# KiCad board kayboard.kicad_pcb (continued)
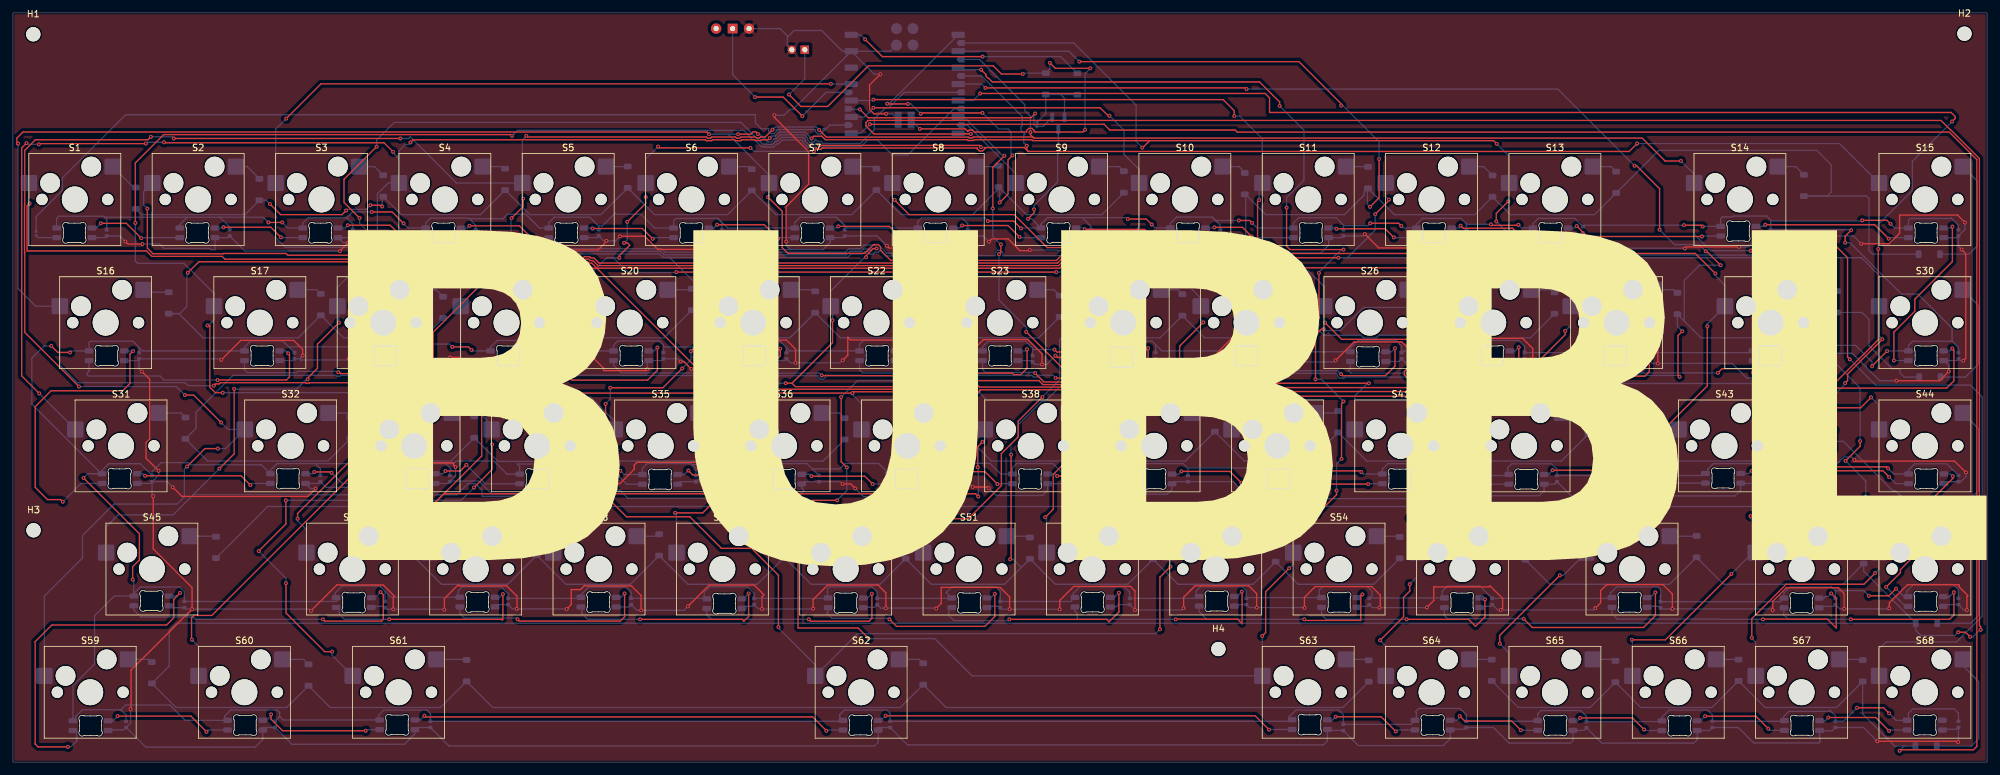
[diagram p0: board, top side]
## Nets
gnd_LED: C1.1 C2.1 C3.1 C4.1 C5.1 C6.1 C7.1 C8.1 C9.1 C10.1 C11.1 C12.1 C13.1 C14.1 C15.1 C16.1 C17.1 C18.1 C19.1 C20.1 C21.1 C22.1 C23.1 C24.1 C25.1 C26.1 C27.1 C28.1 C29.1 C30.1 C31.1 C32.1 C33.1 C34.1 C35.1 C36.1 C37.1 C38.1 C39.1 C40.1 C41.1 C42.1 C43.1 C44.1 C45.1 C46.1 C47.1 C48.1 C49.1 C50.1 C51.1 C52.1 C53.1 C54.1 C55.1 C56.1 C57.1 C58.1 C59.1 C60.1 C61.1 C62.1 C63.1 C64.1 C65.1 C66.1 C67.1 C68.1 D69.3 D70.3 D71.3 D72.3 D73.3 D74.3 D75.3 D76.3 D77.3 D78.3 D79.3 D80.3 D81.3 D82.3 D83.3 D84.3 D85.3 D86.3 D87.3 D88.3 D89.3 D90.3 D91.3 D92.3 D93.3 D94.3 D95.3 D96.3 D97.3 D98.3 D99.3 D100.3 D101.3 D102.3 D103.3 D104.3 D105.3 D106.3 D107.3 D108.3 D109.3 D110.3 D111.3 D112.3 D113.3 D114.3 D115.3 D116.3 D117.3 D118.3 D119.3 D120.3 D121.3 D122.3 D123.3 D124.3 D125.3 D126.3 D127.3 D128.3 D129.3 D130.3 D131.3 D132.3 D133.3 D134.3 D135.3 D136.3 J2.2 SW1.3 U1.13 U1.27
vcc_LED: C1.2 C2.2 C3.2 C4.2 C5.2 C6.2 C7.2 C8.2 C9.2 C10.2 C11.2 C12.2 C13.2 C14.2 C15.2 C16.2 C17.2 C18.2 C19.2 C20.2 C21.2 C22.2 C23.2 C24.2 C25.2 C26.2 C27.2 C28.2 C29.2 C30.2 C31.2 C32.2 C33.2 C34.2 C35.2 C36.2 C37.2 C38.2 C39.2 C40.2 C41.2 C42.2 C43.2 C44.2 C45.2 C46.2 C47.2 C48.2 C49.2 C50.2 C51.2 C52.2 C53.2 C54.2 C55.2 C56.2 C57.2 C58.2 C59.2 C60.2 C61.2 C62.2 C63.2 C64.2 C65.2 C66.2 C67.2 C68.2 D69.1 D70.1 D71.1 D72.1 D73.1 D74.1 D75.1 D76.1 D77.1 D78.1 D79.1 D80.1 D81.1 D82.1 D83.1 D84.1 D85.1 D86.1 D87.1 D88.1 D89.1 D90.1 D91.1 D92.1 D93.1 D94.1 D95.1 D96.1 D97.1 D98.1 D99.1 D100.1 D101.1 D102.1 D103.1 D104.1 D105.1 D106.1 D107.1 D108.1 D109.1 D110.1 D111.1 D112.1 D113.1 D114.1 D115.1 D116.1 D117.1 D118.1 D119.1 D120.1 D121.1 D122.1 D123.1 D124.1 D125.1 D126.1 D127.1 D128.1 D129.1 D130.1 D131.1 D132.1 D133.1 D134.1 D135.1 D136.1 Q1.3
/raw_pwr: D137.1 D138.1 Q1.2 R1.1
bat+: D138.2 J2.1
coloum 1: S1.1 S10.1 S19.1 S28.1 S37.1 S46.1 S55.1 S64.1 U1.9
coloum 2: S2.1 S11.1 S20.1 S29.1 S38.1 S47.1 S56.1 S65.1 U1.10
coloum 3: S3.1 S12.1 S21.1 S30.1 S39.1 S48.1 S57.1 S66.1 U1.11
coloum 4: S4.1 S13.1 S22.1 S31.1 S40.1 S49.1 S58.1 S67.1 U1.15
coloum 5: S5.1 S14.1 S23.1 S32.1 S41.1 S50.1 S59.1 S68.1 U1.16
coloum 6: S6.1 S15.1 S24.1 S33.1 S42.1 S51.1 S60.1 U1.17
coloum 7: S7.1 S16.1 S25.1 S34.1 S43.1 S52.1 S61.1 U1.18
coloum 8: S8.1 S17.1 S26.1 S35.1 S44.1 S53.1 S62.1 U1.19
coloum 9: S9.1 S18.1 S27.1 S36.1 S45.1 S54.1 S63.1 U1.20
LED: D69.2 R2.2
row 1: D1.1 D2.1 D3.1 D4.1 D5.1 D6.1 D7.1 D8.1 D9.1 U1.1
row 2: D10.1 D11.1 D12.1 D13.1 D14.1 D15.1 D16.1 D17.1 D18.1 U1.2
row 3: D19.1 D20.1 D21.1 D22.1 D23.1 D24.1 D25.1 D26.1 D27.1 U1.3
row 4: D28.1 D29.1 D30.1 D31.1 D32.1 D33.1 D34.1 D35.1 D36.1 U1.4
row 5: D37.1 D38.1 D39.1 D40.1 D41.1 D42.1 D43.1 D44.1 D45.1 U1.5
row 6: D46.1 D47.1 D48.1 D49.1 D50.1 D51.1 D52.1 D53.1 D54.1 U1.6
row 7: D55.1 D56.1 D57.1 D58.1 D59.1 D60.1 D61.1 D62.1 D63.1 U1.7
row 8: D64.1 D65.1 D66.1 D67.1 D68.1 U1.8
Net-(D1-A): D1.2 S1.2
Net-(D2-A): D2.2 S2.2
Net-(D3-A): D3.2 S3.2
Net-(D4-A): D4.2 S4.2
Net-(D5-A): D5.2 S5.2
Net-(D6-A): D6.2 S6.2
Net-(D7-A): D7.2 S7.2
Net-(D8-A): D8.2 S8.2
Net-(D9-A): D9.2 S9.2
Net-(D10-A): D10.2 S10.2
Net-(D11-A): D11.2 S11.2
Net-(D12-A): D12.2 S12.2
Net-(D13-A): D13.2 S13.2
Net-(D14-A): D14.2 S14.2
Net-(D15-A): D15.2 S15.2
Net-(D16-A): D16.2 S16.2
Net-(D17-A): D17.2 S17.2
Net-(D18-A): D18.2 S18.2
Net-(D19-A): D19.2 S19.2
Net-(D20-A): D20.2 S20.2
Net-(D21-A): D21.2 S21.2
Net-(D22-A): D22.2 S22.2
Net-(D23-A): D23.2 S23.2
Net-(D24-A): D24.2 S24.2
Net-(D25-A): D25.2 S25.2
Net-(D26-A): D26.2 S26.2
Net-(D27-A): D27.2 S27.2
Net-(D28-A): D28.2 S28.2
Net-(D29-A): D29.2 S29.2
Net-(D30-A): D30.2 S30.2
Net-(D31-A): D31.2 S31.2
Net-(D32-A): D32.2 S32.2
Net-(D33-A): D33.2 S33.2
Net-(D34-A): D34.2 S34.2
Net-(D35-A): D35.2 S35.2
Net-(D36-A): D36.2 S36.2
Net-(D37-A): D37.2 S37.2
Net-(D38-A): D38.2 S38.2
Net-(D39-A): D39.2 S39.2
Net-(D40-A): D40.2 S40.2
Net-(D41-A): D41.2 S41.2
Net-(D42-A): D42.2 S42.2
Net-(D43-A): D43.2 S43.2
Net-(D44-A): D44.2 S44.2
Net-(D45-A): D45.2 S45.2
Net-(D46-A): D46.2 S46.2
Net-(D47-A): D47.2 S47.2
Net-(D48-A): D48.2 S48.2
Net-(D49-A): D49.2 S49.2
Net-(D50-A): D50.2 S50.2
Net-(D51-A): D51.2 S51.2
Net-(D52-A): D52.2 S52.2
Net-(D53-A): D53.2 S53.2
Net-(D54-A): D54.2 S54.2
Net-(D55-A): D55.2 S55.2
Net-(D56-A): D56.2 S56.2
Net-(D57-A): D57.2 S57.2
Net-(D58-A): D58.2 S58.2
Net-(D59-A): D59.2 S59.2
Net-(D60-A): D60.2 S60.2
Net-(D61-A): D61.2 S61.2
Net-(D62-A): D62.2 S62.2
Net-(D63-A): D63.2 S63.2
Net-(D64-A): D64.2 S64.2
Net-(D65-A): D65.2 S65.2
Net-(D66-A): D66.2 S66.2
Net-(D67-A): D67.2 S67.2
Net-(D68-A): D68.2 S68.2
Net-(D69-DOUT): D69.4 D70.2
Net-(D70-DOUT): D70.4 D71.2
Net-(D71-DOUT): D71.4 D72.2
Net-(D72-DOUT): D72.4 D73.2
Net-(D73-DOUT): D73.4 D74.2
Net-(D74-DOUT): D74.4 D75.2
Net-(D75-DOUT): D75.4 D76.2
Net-(D76-DOUT): D76.4 D77.2
Net-(D77-DOUT): D77.4 D78.2
Net-(D78-DOUT): D78.4 D79.2
Net-(D79-DOUT): D79.4 D80.2
Net-(D80-DOUT): D80.4 D81.2
Net-(D81-DOUT): D81.4 D82.2
Net-(D82-DOUT): D82.4 D83.2
Net-(D83-DOUT): D83.4 D84.2
Net-(D84-DOUT): D84.4 D85.2
Net-(D85-DOUT): D85.4 D86.2
Net-(D86-DOUT): D86.4 D87.2
Net-(D87-DOUT): D87.4 D88.2
Net-(D88-DOUT): D88.4 D89.2
Net-(D89-DOUT): D89.4 D90.2
Net-(D90-DOUT): D90.4 D91.2
Net-(D91-DOUT): D91.4 D92.2
Net-(D92-DOUT): D92.4 D93.2
Net-(D93-DOUT): D93.4 D94.2
Net-(D94-DOUT): D94.4 D95.2
Net-(D95-DOUT): D95.4 D96.2
Net-(D96-DOUT): D96.4 D97.2
Net-(D97-DOUT): D97.4 D98.2
Net-(D98-DOUT): D98.4 D99.2
Net-(D100-DIN): D99.4 D100.2
Net-(D100-DOUT): D100.4 D101.2
Net-(D101-DOUT): D101.4 D102.2
Net-(D102-DOUT): D102.4 D103.2
Net-(D103-DOUT): D103.4 D104.2
Net-(D104-DOUT): D104.4 D105.2
Net-(D105-DOUT): D105.4 D106.2
Net-(D106-DOUT): D106.4 D107.2
Net-(D107-DOUT): D107.4 D108.2
Net-(D108-DOUT): D108.4 D109.2
Net-(D109-DOUT): D109.4 D110.2
Net-(D110-DOUT): D110.4 D111.2
Net-(D111-DOUT): D111.4 D112.2
Net-(D112-DOUT): D112.4 D113.2
Net-(D113-DOUT): D113.4 D114.2
Net-(D114-DOUT): D114.4 D115.2
Net-(D115-DOUT): D115.4 D116.2
Net-(D116-DOUT): D116.4 D117.2
Net-(D117-DOUT): D117.4 D118.2
Net-(D118-DOUT): D118.4 D119.2
Net-(D119-DOUT): D119.4 D120.2
Net-(D120-DOUT): D120.4 D121.2
Net-(D121-DOUT): D121.4 D122.2
Net-(D122-DOUT): D122.4 D123.2
Net-(D123-DOUT): D123.4 D124.2
Net-(D124-DOUT): D124.4 D125.2
Net-(D125-DOUT): D125.4 D126.2
Net-(D126-DOUT): D126.4 D127.2
Net-(D127-DOUT): D127.4 D128.2
Net-(D128-DOUT): D128.4 D129.2
Net-(D129-DOUT): D129.4 D130.2
Net-(D130-DOUT): D130.4 D131.2
Net-(D131-DOUT): D131.4 D132.2
Net-(D132-DOUT): D132.4 D133.2
Net-(D133-DOUT): D133.4 D134.2
Net-(D134-DOUT): D134.4 D135.2
Net-(D135-DOUT): D135.4 D136.2
Net-(D137-A): D137.2 U1.14
Net-(Q1-G): Q1.1 R1.2 U1.22
Net-(SW1-B): SW1.1 U1.23
Net-(U1-P1.03_D17_SCK1): R2.1 U1.21

Pads without a net: D136 4; SW1 2; U1 12 24 25 26 28 29

## Via types
v1: diameter 0.6, hole 0.3, Top to Bottom, 552 vias

## Routing (per net, layer and track width the routed paths; a pad name or vN(x,y) marks a point on that pad's centre or on a via; arc(x,y) is an arc through that point)
gnd_LED: length 1946.8
  Top w0.2: v1(123.59,23.72) 123.59,25.13 125.81,27.35 133.63,27.35 134.82,26.16 v1(134.82,23.8) ; v1(66.64,23.57) 66.64,25.27 68.76,27.39 68.92,27.23 76.27,27.23 77.86,25.64 77.86,23.74 v1(77.81,23.69) ; v1(46.76,42.28) 45.55,41.07 26.11,41.07 v1(24.7,42.48) ; v1(301.64,44.77) 299.87,46.54 284.59,46.54 v1(284.4,46.73) ; v1(76.08,79.94) 76.82,79.2 90.38,79.2 91.66,80.48 v1(91.66,80.59) ; v1(157.06,79.17) 156.97,79.08 155.52,79.08 153.71,80.89 151.18,80.89 v1(150.75,80.46) ; v1(144.36,79.2) 144.08,79.48 135.33,79.48 v1(134.99,79.82) ; v1(46.03,23.38) 50.03,27.38 57.2,27.38 58.95,25.63 58.73,25.41 v1(58.73,23.63) ; v1(79.33,61) 78.63,60.3 71.2,60.3 68.94,62.56 v1(67.5,62.56) ; v1(218.39,23.92) 219.44,24.97 219.44,27.09 228,27.09 228.11,27.2 228.18,27.2 230.08,25.3 230.08,23.8 v1(229.8,23.52) ; v1(104.25,24.07) 107.54,27.36 114.49,27.36 115.99,25.86 115.69,25.56 v1(115.69,23.67) ; v1(238.91,79.24) 238.82,79.33 v1(231.7,79.33) ; v1(258.22,79.41) 258.47,79.66 v1(266.59,79.66) ; v1(106.63,43.15) 110.22,43.15 v1(111.17,42.2) ; v1(90.05,43.2) 92.95,43.2 93.09,43.06 93.75,43.06 95.95,45.26 95.95,45.91 96.38,46.34 105.61,46.34 106.28,45.67 v1(106.28,45) ; v1(104.77,60.79) 103.63,61.93 v1(103.12,61.93) ; v1(97.02,23.47) 97.02,25.75 95.54,27.23 88.4,27.23 88.31,27.32 87.66,26.67 86.23,26.67 86.23,24.36 v1(85.53,23.66) ; v1(300.96,79.25) 301.61,78.6 301.61,62.45 v1(301.23,62.07) ; v1(290.89,58.96) 297.55,58.96 v1(299,60.41) ; v1(119.42,80.48) 119.42,85.88 122.88,89.34 122.88,94.39 117.6,99.67 v1(117.6,100.02) ; v1(109.39,63.03) 111.6,65.24 119.47,65.24 120.88,63.83 v1(120.88,61.73) ; v1(63.73,61.72) 63.73,64.91 63.38,65.26 54.76,65.26 v1(51.85,62.35) ; v1(22.5,45.03) 20.55,46.98 20.55,49.4 21.11,49.96 21.11,59.2 v1(19.93,60.38) ; v1(194.46,78.71) 193.29,79.88 191.74,79.88 190.8,80.82 v1(189.24,80.82) ; v1(234.58,62.34) 234.74,62.5 234.74,63.94 233.16,65.52 225.7,65.52 223.57,63.39 v1(223.57,61.9) ; v1(110.55,80.26) 109.55,79.26 99.6,79.26 97.56,81.3 v1(93.77,81.3) ; v1(54.65,80.75) 55.1,81.2 58.68,81.2 60.62,79.26 66.96,79.26 v1(67.11,79.41) ; v1(215.7,61.64) 215.8,61.74 215.8,63.66 214.5,64.96 207.13,64.96 v1(204.28,62.11) ; v1(285.48,80.14) 289.78,80.14 291.39,81.75 291.39,84.57 300.36,84.57 v1(301.49,83.44) ; v1(18.17,8.19) 18.24,8.26 18.24,14.23 v1(27.66,23.65) 27.66,26.97 21.66,32.97 v1(21.66,41.13) ; v1(17.37,80.49) 17.76,80.1 v1(20,80.1) ; v1(133.97,106.35) 132.3,104.68 132.3,100.91 132.99,100.22 v1(134.87,100.22) ; v1(153.93,23.63) 153.93,25.54 152.46,27.01 143.37,27.01 143.37,24.54 v1(142.59,23.76) ; v1(271.8,23.47) 271.8,24.84 273.91,26.95 281.93,26.95 282.83,26.05 v1(282.83,23.69) ; v1(32.18,62.18) 35.2,65.2 43.36,65.2 44.74,63.82 v1(44.74,62.85) ; v1(150.72,42.36) 150.55,42.53 v1(148.24,42.53) ; v1(199.47,23.84) 199.47,25.47 201.14,27.14 209.86,27.14 211.17,25.83 211.17,23.98 v1(211.06,23.87) ; v1(254.05,61.64) 254.05,63.67 252.24,65.48 243.68,65.48 242.35,64.15 v1(242.35,62.58) ; v1(128.14,43.01) 129.38,43.01 v1(130.08,42.31) ; v1(244.39,23.8) 245.22,24.63 245.22,26.51 246.14,27.43 254.85,27.43 256.29,25.99 v1(256.29,23.68) ; v1(161.02,62.83) 161.3,62.56 v1(163.38,62.56) ; v1(158.94,61.49) 158.94,63.14 156.75,65.33 149.89,65.33 147.15,62.59 v1(147.15,61.69) ; v1(184.99,62.27) 188.15,65.43 195.68,65.43 197.01,64.1 197.01,61.98 196.98,61.98 v1(196.87,61.87) ; v1(221.48,79.49) 210.95,79.49 v1(208.8,81.64) ; v1(300.44,3.09) 300.31,3.22 v1(287.93,3.22) ; v1(174.59,60.73) 173.87,60.01 167.81,60.01 165.95,61.87 v1(165.5,61.87) ; v1(57.1,42.47) 57.1,43.28 60.1,46.28 68.04,46.28 68.04,45.92 v1(68.36,45.6) ; v1(289.8,23.78) 289.8,24.61 292.61,27.42 300.58,27.42 300.58,27.1 301.94,25.74 301.78,25.58 v1(301.78,23.5) ; v1(139.96,61.85) 139.96,64.02 138.71,65.27 129.36,65.27 128.94,65.69 128.94,62.91 v1(128.16,62.13) ; v1(192.09,23.89) 192.09,26.04 190.87,27.26 182.59,27.26 180.81,25.48 v1(180.81,23.8) ; v1(51.76,80.31) 50.5,79.05 v1(50.5,79) ; v1(170.63,81.71) 172.42,81.71 175,79.13 183.02,79.13 v1(183.2,79.31) ; v1(173.3,23.52) 173.3,26.45 172.6,27.15 163.84,27.15 161.67,24.98 v1(161.67,23.63) ; v1(83.7,62.33) 89.79,62.33 91.22,60.9 91.22,60.53 97.74,60.53 v1(97.98,60.77)
  Bottom w0.2: D135.3 279.05,3.37 279.19,3.22 278.93,2.96 268.86,2.96 266.47,5.35 C66.1 262.01,4.88 260.13,4.88 260.13,3.59 260.2,3.53 259.6,2.93 245.4,2.93 C65.1 242.64,4.91 D133.3 240.94,3.38 240.96,3.36 240.53,2.93 231.1,2.93 231.09,2.92 228.66,5.35 C64.1 224.21,5.08 222.2,5.08 ; D98.3 19.21,62.08 C30.1 ; D111.3 266.85,42.03 265.97,41.15 240.68,41.15 C42.1 238.1,42.97 D110.3 236.49,41.93 235.73,41.17 221.66,41.17 C41.1 219.17,43.04 D109.3 216.94,42.06 216.95,42.06 215.61,40.72 203.11,40.72 C40.1 198.55,43.35 D108.3 198.24,41.68 197.7,41.14 190.66,41.14 188.45,43.35 C39.1 179.35,43.35 179.01,43.02 179.01,42.13 178.29,41.41 171.46,41.41 169.52,43.35 C38.1 162.17,43.04 159.81,43.04 159.81,42 159.03,41.22 151.86,41.22 v1(150.72,42.36) ; 298.23,43.05 298.54,43.35 C44.1 300.85,43.35 301.64,44.14 v1(301.64,44.77) ; 198.23,43.08 198.5,43.35 ; 267.2,43.08 269.21,43.08 C43.1 272.12,40.71 278.11,40.71 278.11,42.49 282.79,47.17 283.96,47.17 v1(284.4,46.73) ; v1(46.76,42.28) 46,42.28 D100.3 47.21,43.08 C32.1 48.36,42.47 v1(57.1,42.47) ; v1(208.8,81.64) 208.51,81.35 C11.1 205.21,81.08 D79.3 203.2,79.92 201.99,78.71 v1(194.46,78.71) ; 252.2,24.08 254.23,24.08 C48.1 254.63,23.68 v1(256.29,23.68) 271.59,23.68 v1(271.8,23.47) ; 120.09,79.24 119.42,79.91 v1(119.42,80.48) ; 120.09,79.24 125.12,79.24 126.2,80.32 D75.3 128.21,81.08 C7.1 133.46,81.35 v1(134.99,79.82) ; 120.09,79.24 117.95,79.24 116.66,80.53 116.39,80.26 v1(110.55,80.26) 110.55,80.28 C6.1 109.21,81.08 D74.3 ; v1(290.89,58.96) 288.32,58.96 284.08,63.2 277.33,63.2 C17.1 274.55,62.35 274.28,62.08 D85.3 274.2,59.51 274.07,59.38 267.78,59.38 265.52,61.64 v1(254.05,61.64) 253.19,61.64 C18.1 252.21,62.08 D86.3 ; v1(242.35,62.58) 242.11,62.34 v1(234.58,62.34) 233.49,62.34 C19.1 231.54,62.35 231.27,62.08 D87.3 ; v1(161.67,23.63) v1(153.93,23.63) 152.72,23.63 C53.1 152.27,24.08 150.2,24.08 ; 119.72,112.19 118.49,113.41 SW1.3 ; 119.72,112.19 119.6,112.07 119.6,110.84 J2.2 ; 119.72,112.19 120.65,113.12 124.9,113.12 128.11,109.91 U1.13 ; 226.2,24.08 228.21,24.08 C49.1 229.31,23.52 v1(229.8,23.52) 244.11,23.52 v1(244.39,23.8) ; 207.2,24.08 209.21,24.08 C50.1 209.96,23.87 v1(211.06,23.87) 218.34,23.87 v1(218.39,23.92) ; C30.1 19.48,60.83 v1(19.93,60.38) ; C30.1 32.01,62.35 v1(32.18,62.18) ; v1(170.63,81.71) 170.27,81.35 C9.1 166.21,81.08 D77.3 164.2,79.66 163.65,79.11 161.63,79.11 161.49,78.97 161.29,79.17 v1(157.06,79.17) ; D99.3 21.21,43.08 C31.1 ; 179.48,43.35 179.2,43.08 ; v1(150.75,80.46) 149.86,81.35 C8.1 147.21,81.08 D76.3 145.2,80.04 v1(144.36,79.2) ; v1(67.5,62.56) 66.66,61.72 v1(63.73,61.72) 63.73,61.85 63.23,62.35 C28.1 62.21,62.08 D96.3 ; v1(165.5,61.87) 164.07,61.87 v1(163.38,62.56) ; v1(266.59,79.66) 268.1,79.66 269.2,80.76 D82.3 271.46,81.33 C14.1 284.27,81.35 v1(285.48,80.14) ; v1(21.66,41.13) 21.48,41.31 C31.1 ; D91.3 157.27,62.08 C23.1 157.86,61.49 v1(158.94,61.49) 159.68,61.49 v1(161.02,62.83) ; D97.3 43.21,62.08 C29.1 44.22,62.35 44.5,62.07 44.5,62.18 ; v1(287.93,3.22) 285.8,5.35 C67.1 280.96,4.83 278.93,4.83 ; D83.3 300.21,81.08 C15.1 ; 15.12,4.98 17.11,4.98 C45.1 ; v1(20,80.1) 22.66,80.1 23.32,79.44 30.39,79.44 30.6,79.23 31.17,79.23 31.2,79.26 31.2,81.08 33.21,81.08 C2.1 35.83,79 v1(50.5,79) ; v1(148.24,42.53) 147.42,43.35 C37.1 143.15,43.02 D105.3 140.8,42.06 139.77,41.04 131.35,41.04 v1(130.08,42.31) ; v1(54.65,80.75) 54.05,81.35 C3.1 52.21,81.08 D71.3 50.98,80.31 v1(51.76,80.31) ; 202.56,4.89 205.46,4.89 C63.1 207.8,2.55 220.92,2.55 222,3.62 D132.3 ; U1.13 135.51,109.91 U1.27 ; U1.13 133.04,106.35 v1(133.97,106.35) ; U1.13 120.48,100.91 120,100.91 119.11,100.02 v1(117.6,100.02) ; v1(106.63,43.15) 106.43,43.35 C35.1 ; v1(184.99,62.27) 184.91,62.35 C22.1 175.96,61.83 D90.3 174.59,61.17 v1(174.59,60.73) ; D103.3 103.06,43.35 C35.1 ; v1(128.14,43.01) 127.8,43.35 C36.1 122.18,43.35 D104.3 121.82,42.37 122.17,42.02 120.89,40.74 113.98,40.74 112.52,42.2 v1(111.17,42.2) ; 62.07,5.01 62.07,4.37 60.46,2.75 43.08,2.75 C60.1 38.55,5.35 ; 44.5,62.18 51.68,62.18 v1(51.85,62.35) ; 44.5,62.18 44.5,62.61 v1(44.74,62.85) ; v1(22.5,45.03) 22.5,44.37 C31.1 ; v1(301.49,83.44) 301.49,82.36 C15.1 ; v1(67.11,79.41) 67.16,79.36 68.46,79.36 69.33,80.23 69.2,80.35 D72.3 71.21,81.08 C4.1 74.67,81.35 v1(76.08,79.94) ; v1(109.39,63.03) 107.15,60.79 v1(104.77,60.79) ; C45.1 18.17,6.04 v1(18.17,8.19) ; C45.1 20.51,2.32 37.43,2.32 38.6,3.49 D128.3 ; 24.21,24.08 24.42,23.87 C59.1 26.7,23.65 v1(27.66,23.65) 45.76,23.65 v1(46.03,23.38) ; v1(68.36,45.6) 68.36,44.23 C33.1 ; v1(93.77,81.3) 93.06,80.59 v1(91.66,80.59) 91.24,80.59 C5.1 90.21,81.08 D73.3 ; v1(231.7,79.33) 229.68,81.35 C12.1 222.48,81.35 222.21,81.08 D80.3 222.2,80.22 v1(221.48,79.49) ; v1(223.57,61.9) 215.96,61.9 v1(215.7,61.64) 215.19,61.64 C20.1 214.07,61.94 D88.3 ; D89.3 195.21,62.08 C21.1 195.96,61.87 v1(196.87,61.87) 204.04,61.87 v1(204.28,62.11) ; v1(142.59,23.76) 142.55,23.8 v1(134.82,23.8) 134.03,23.8 C54.1 133.06,23.93 131.25,23.93 ; v1(183.2,79.31) 184.2,80.31 D78.3 186.21,81.08 C10.1 188.71,81.35 v1(189.24,80.82) ; 298.47,43.35 298.2,43.08 ; v1(66.64,23.57) 66.58,23.63 v1(58.73,23.63) 57.72,23.63 C58.1 57.27,24.08 55.2,24.08 ; v1(238.91,79.24) 240.2,80.53 D81.3 241.73,81.08 C13.1 244.86,79.45 257.86,79.45 257.9,79.41 v1(258.22,79.41) ; v1(97.98,60.77) 97.98,61.86 D94.3 100.21,62.08 C26.1 102.7,62.35 v1(103.12,61.93) ; v1(180.81,23.8) 180.53,23.52 v1(173.3,23.52) 173.3,23.53 C52.1 170.74,24.35 170.42,24.03 169.23,24.03 ; v1(300.44,3.09) 300.48,3.13 C68.1 300.21,5.08 298.2,5.08 ; D93.3 119.21,62.08 C25.1 120.1,61.73 v1(120.88,61.73) 127.76,61.73 v1(128.16,62.13) ; D131.3 203.02,3.27 202.41,2.66 138.17,2.66 C62.1 133.53,5.35 ; C15.1 300.48,79.73 v1(300.96,79.25) ; 74.2,24.08 74.48,24.35 C57.1 77.14,23.69 v1(77.81,23.69) 85.5,23.69 v1(85.53,23.66) ; v1(147.15,61.69) 146.99,61.85 v1(139.96,61.85) 138.98,61.85 C24.1 138.21,62.08 D92.3 ; 61.93,4.83 62.45,5.35 C61.1 67.33,2.5 133.07,2.5 133.63,3.06 133.63,4.95 ; v1(289.8,23.78) 289.71,23.69 v1(282.83,23.69) 282.14,23.69 C47.1 281.21,24.08 279.2,24.08 ; v1(90.05,43.2) 85.81,43.2 C34.1 83.88,42.87 D102.3 83.72,41.55 83.66,41.49 73.92,41.49 71.97,43.44 67.57,43.44 C33.1 ; v1(106.28,45) 106.28,44.15 C35.1 ; C33.1 67.21,43.08 D101.3 ; v1(83.7,62.33) 83.68,62.35 C27.1 81.21,62.08 D95.3 79.33,61.95 v1(79.33,61) ; D69.3 14.21,81.08 C1.1 16.51,81.35 v1(17.37,80.49) ; v1(199.47,23.84) 199.42,23.89 v1(192.09,23.89) 190.94,23.89 C51.1 188.48,24.35 ; C31.1 23.83,43.35 v1(24.7,42.48) ; v1(134.87,100.22) 135.82,100.22 136.73,99.31 ; 297.93,24.33 297.95,24.35 C46.1 301.33,23.5 v1(301.78,23.5) ; v1(123.59,23.72) 123.54,23.67 v1(115.69,23.67) 115.16,23.67 C55.1 114.21,24.08 112.2,24.08 ; D123.3 95.11,23.98 C56.1 96.36,23.47 v1(97.02,23.47) 103.65,23.47 v1(104.25,24.07) ; v1(301.23,62.07) 300.76,62.07 C16.1 300.21,62.08 D84.3 299,61.28 v1(299,60.41)
vcc_LED: length 1806.2
  Top w0.2: v1(157.71,85.46) 157.71,84.93 v1(156.78,84) ; v1(89.98,45.57) 90.06,45.49 93.36,45.49 v1(93.82,45.03) ; v1(189.34,83.74) 191.01,83.74 v1(191.39,83.36) ; v1(287.14,61.2) 287.14,61.23 v1(289.46,63.55) ; v1(284.81,8.4) 288.91,8.4 v1(289.77,7.54) ; v1(289.61,45.42) 289.39,45.64 v1(278.34,45.64) ; v1(214.43,82.89) 214.01,83.31 v1(209.64,83.31) ; v1(283.91,82.23) 282.99,81.31 v1(282.99,80.31) ; v1(232.52,83.07) 232.44,82.99 228.42,82.99 v1(228.27,83.14) ; v1(113.62,44.99) 109.32,44.99 v1(108.25,46.06) ; v1(172.19,83.96) 175.05,83.96 v1(175.89,83.12) ; v1(70.83,63.72) 70.35,64.2 v1(67.86,64.2) ; v1(163.54,63.45) 163.49,63.4 161.24,63.4 v1(160.86,63.78) ; v1(55.41,85.06) 58.56,85.06 v1(60.33,83.29) ; v1(5.91,64.35) 6.92,63.34 v1(8.81,63.34) ; v1(286.65,25.71) 289.74,25.71 v1(290.84,26.81) ; v1(285.61,83.76) 289.45,83.76 v1(289.99,83.22) ; v1(89.4,63.74) 89.28,63.86 v1(83.94,63.86) ; v1(155.69,82.52) 154.55,83.66 v1(150.57,83.66) ; v1(258.1,83.01) 260.76,83.01 v1(260.97,82.8) ; v1(18.49,28.21) 18.49,30.19 19.53,31.23 19.53,35.3 v1(10.91,43.92) ; v1(208.26,44.85) 208.09,45.02 v1(203.43,45.02) ; v1(39.45,83.44) v1(41.59,83.44) ; v1(165.19,62.71) 166.11,62.71 v1(166.82,63.42)
  Bottom w0.2: 224.55,83.15 223.63,84.07 217.68,84.07 216.75,83.15 D80.1 214.74,82.58 v1(214.43,82.89) ; 224.55,83.15 228.26,83.15 v1(228.27,83.14) ; 224.55,83.15 224.48,83.08 C12.2 ; 68.75,25.58 68.75,26.47 69.38,27.09 75.43,27.09 76.48,26.04 C57.2 87.54,25.31 D123.1 ; 90.48,82.86 C5.2 ; 90.48,82.86 90.99,82.86 93.02,84.89 93.2,84.71 96.97,84.71 99.1,82.58 D74.1 102.03,83.73 102.36,84.06 108.81,84.06 ; 90.48,82.86 89.1,84.24 83.59,84.24 82.75,83.41 D73.1 81.32,82.58 79.19,84.71 76.39,84.71 75.7,84.02 70.45,84.02 ; D124.1 58.41,25.49 57.48,26.42 ; C58.2 57.48,26.42 ; 57.48,26.42 56.66,27.24 50.85,27.24 49.75,26.15 49.75,25.58 ; 108.81,84.06 108.91,84.06 110.39,82.58 D75.1 120.75,83.41 121.58,84.24 127.19,84.24 127.24,84.19 ; 108.81,84.06 109.48,83.39 C6.2 ; v1(289.61,45.42) 290.48,44.55 D112.1 ; 41.2,7.03 41.2,7.68 40.83,8.04 33.63,8.04 32.69,7.11 32.69,6.45 ; 41.2,7.03 41.72,6.51 D129.1 ; 41.2,7.03 C60.2 ; 181.41,45.46 180.73,46.14 174.46,46.14 173.56,45.25 D107.1 162.27,44.52 161.94,44.86 ; 181.41,45.46 181.48,45.39 C39.2 ; 181.41,45.46 192,45.46 192.41,45.05 192.41,44.92 192.79,44.54 192.79,45.56 193.31,46.09 199.58,46.09 200.48,45.19 ; 216.55,6.47 215.91,5.83 C63.2 205.48,7.34 204.78,8.04 198.12,8.04 197.12,7.03 197.12,6.39 ; C44.2 298.68,46.11 293.72,46.11 292.76,45.15 292.76,44.58 ; D110.1 230.88,44.31 C41.2 219.48,45.28 218.62,46.14 212.34,46.14 211.5,45.3 D109.1 208.57,44.54 v1(208.26,44.85) ; D136.1 290.85,6.46 v1(289.77,7.54) ; 100.48,64.18 C26.2 ; 100.48,64.18 100.48,64.5 99.86,65.12 93.44,65.12 92.75,64.44 D94.1 89.56,63.58 v1(89.4,63.74) ; 100.48,64.18 111.16,64.18 D93.1 111.75,64.87 112.04,65.15 118.41,65.15 118.41,65.13 119.48,64.06 ; v1(283.91,82.23) 283.83,82.31 C14.2 271.48,83.67 ; 299.5,65.07 300.48,64.09 C16.2 ; 299.5,65.07 293.4,65.07 292.76,64.43 292.76,63.58 289.49,63.58 v1(289.46,63.55) ; 299.5,65.07 299.5,67.07 294.21,72.36 291.69,72.36 283.74,80.31 v1(282.99,80.31) ; 85.28,45.44 84.63,46.09 77.91,46.09 78.26,45.74 D102.1 76.3,44.53 74.28,46.55 68.46,46.55 68.05,46.14 66.84,46.14 ; 85.28,45.44 89.85,45.44 v1(89.98,45.57) ; 85.28,45.44 85.62,45.1 85.48,44.96 C34.2 ; C47.2 281.48,26.47 281.45,26.5 ; 269.24,45.69 269.48,45.45 C43.2 ; 269.24,45.69 278.29,45.69 v1(278.34,45.64) ; 269.24,45.69 268.79,46.14 262.63,46.14 261.75,45.27 261.75,44.58 ; 161.94,44.86 C38.2 ; 161.94,44.86 160.65,46.14 155,46.14 154.37,45.5 D106.1 152.57,44.54 150.92,46.19 143.6,46.19 143.05,45.64 ; v1(172.19,83.96) 171.97,84.18 165.15,84.18 ; C21.2 195.48,64.13 195.64,64.29 ; 281.45,26.5 280.86,27.09 274.45,27.09 273.52,26.16 D114.1 272.96,24.79 C48.2 254.48,26.68 254.07,27.09 247.68,27.09 246.75,26.17 246.75,25.58 ; 281.45,26.5 285.86,26.5 v1(286.65,25.71) ; C7.2 128.48,82.95 127.24,84.19 ; v1(284.81,8.4) 282.72,6.31 C67.2 281.48,7.15 280.64,7.99 280.5,7.85 274.28,7.85 273.48,7.05 273.48,6.33 ; 205.6,82.95 205.48,82.83 C11.2 ; 205.6,82.95 209.28,82.95 v1(209.64,83.31) ; 205.6,82.95 204.39,84.16 198.58,84.16 197.75,83.34 D79.1 192.17,82.58 v1(191.39,83.36) ; v1(55.41,85.06) 52.44,85.06 51.54,84.16 ; v1(5.91,64.35) 4.81,64.35 2.92,62.46 2.92,55.32 13.66,44.58 13.75,44.58 ; v1(175.89,83.12) 176.43,82.58 D78.1 178.75,83.31 179.71,84.26 185.22,84.26 ; v1(70.83,63.72) 70.97,63.58 D95.1 73.75,64.15 74.81,65.2 80.38,65.2 81.58,64 ; D121.1 125.83,25.31 C55.2 114.48,26.06 113.46,27.08 113.46,27.09 107.59,27.09 106.75,26.25 106.75,25.58 ; C10.2 186.48,83 185.22,84.26 ; C35.2 105.48,45.41 104.87,46.02 ; 138.48,64.38 C24.2 ; 138.48,64.38 137.67,65.19 131.33,65.19 130.75,64.62 D92.1 119.96,63.58 119.48,64.06 ; 138.48,64.38 139.28,63.58 D91.1 149.75,64.19 150.63,65.06 156.43,65.06 157.48,64.01 157.48,63.88 ; 176.48,64.54 C22.2 ; 176.48,64.54 177.44,63.58 D89.1 187.75,64.27 188.67,65.19 194.74,65.19 195.64,64.29 ; 176.48,64.54 175.94,65.08 169.16,65.08 168.48,64.4 D90.1 168.39,63.42 v1(166.82,63.42) ; 9.68,6.48 9.68,7.05 10.71,8.08 16.67,8.08 ; v1(203.43,45.02) 203.26,45.19 200.48,45.19 ; v1(232.52,83.07) 233.01,82.58 D81.1 234.75,83.26 235.56,84.07 241.2,84.07 C13.2 242.7,83.01 v1(258.1,83.01) ; C32.2 47.48,45.38 46.72,46.14 ; C2.2 33.48,82.72 31.96,84.24 ; 14.03,84.4 14.19,84.24 26.9,84.24 ; 14.03,84.4 14.48,83.95 C1.2 ; 14.03,84.4 7.1,84.4 6.75,84.06 6.75,82.58 ; v1(150.57,83.66) 150.09,84.14 146.57,84.14 ; v1(60.33,83.29) 61.04,82.58 D72.1 63.75,83.38 64.48,84.11 70.36,84.11 70.45,84.02 ; 292.48,25.83 292.48,26.4 293.53,27.45 299.69,27.45 300.48,26.66 C46.2 ; 16.67,8.08 17.41,8.82 24.23,8.82 26.59,6.46 D128.1 ; 16.67,8.08 17.48,7.27 C45.2 ; 146.57,84.14 140.35,84.14 139.75,83.54 D76.1 128.85,82.58 127.24,84.19 ; 146.57,84.14 147.48,83.23 C8.2 ; 66.84,46.14 59.85,46.14 59.75,46.05 D101.1 58.19,46.14 46.72,46.14 ; 66.84,46.14 67.67,45.31 67.48,45.12 C33.2 ; 42.58,64.2 53.85,64.2 54.47,63.58 D96.1 54.75,64.69 55.2,65.14 62.66,65.14 63.17,64.63 ; 42.58,64.2 C29.2 ; 42.58,64.2 41.65,65.14 36.75,65.14 35.75,64.15 D97.1 20.02,63.58 19.48,64.12 ; v1(287.14,61.2) 287.14,61.88 284.59,64.43 276.59,64.43 ; 106.9,25.5 D122.1 107.1,25.31 C56.2 95.48,26.25 94.65,27.08 88.94,27.08 87.75,25.9 87.75,25.33 ; 70.45,84.02 71.48,82.99 C4.2 ; 144.99,25.38 144.92,25.31 C54.2 133.48,26.29 132.68,27.09 126.12,27.09 125.81,26.77 125.81,25.43 ; 220.75,25.58 220.75,26.42 221.56,27.22 226.57,27.22 C49.2 246.85,25.31 246.97,25.43 ; D77.1 158.75,83.15 159.79,84.18 165.15,84.18 ; D77.1 157.33,84 v1(156.78,84) ; D77.1 155.75,82.58 v1(155.69,82.52) ; v1(289.99,83.22) 290.63,82.58 292.76,82.58 292.76,83.75 293.05,84.05 299.22,84.05 299.33,84.16 300.48,83.01 C15.2 ; C17.2 276.48,64.32 276.59,64.43 ; 63.17,64.63 67.43,64.63 v1(67.86,64.2) ; 63.17,64.63 63.17,64.62 62.48,63.93 C28.2 ; 185.22,84.26 185.74,83.74 v1(189.34,83.74) ; 51.54,84.16 52.48,83.22 C3.2 ; 51.54,84.16 45.59,84.16 44.75,83.32 D71.1 42.45,82.58 v1(41.59,83.44) ; 195.64,64.29 196.49,63.44 D88.1 206.56,64.01 207.69,65.14 213.69,65.14 214.48,64.35 C20.2 214.6,63.31 214.87,63.58 D87.1 225.75,64.13 226.81,65.19 232.55,65.19 233.48,64.26 C19.2 244.49,63.31 D86.1 244.75,64.15 245.81,65.2 251.81,65.2 252.58,64.43 252.48,64.33 C18.2 268.49,63.31 D85.1 268.75,65.07 268.88,65.19 268.92,65.15 275.87,65.15 276.59,64.43 ; v1(39.45,83.44) 38.65,84.24 31.96,84.24 ; 157.48,63.88 C23.2 ; 157.48,63.88 157.58,63.78 v1(160.86,63.78) ; 201.75,25.58 201.75,26.61 202.24,27.09 209.2,27.09 209.91,26.38 209.91,25.74 C50.2 209.57,25.31 209.64,25.38 D116.1 ; C9.2 166.48,82.85 165.15,84.18 ; 271.48,83.67 271.48,83.8 270.86,84.42 265.66,84.42 265.53,84.3 264.03,84.3 263.75,84.03 D82.1 261,82.83 v1(260.97,82.8) ; 271.48,83.67 285.52,83.67 v1(285.61,83.76) ; 81.58,64 81.48,63.9 C27.2 ; 81.58,64 81.72,63.86 v1(83.94,63.86) ; D127.1 9.27,11.82 12.6,15.16 12.6,22.61 15.66,25.67 D126.1 18.67,28.03 v1(18.49,28.21) ; v1(113.62,44.99) 114.11,44.5 D104.1 116.38,45.21 117.31,46.14 122.65,46.14 123.46,45.33 ; 163.78,25.53 163.78,26.1 164.77,27.09 171.67,27.09 172.48,26.28 C52.2 182.89,25.31 D118.1 ; 200.48,45.19 C40.2 ; v1(165.19,62.71) 164.45,63.45 v1(163.54,63.45) ; 46.72,46.14 40.75,46.14 39.75,45.15 D100.1 38.37,45.97 27.45,45.97 27.13,46.29 22.89,46.29 21.48,44.88 C31.2 19.66,46.13 14.79,46.13 13.75,45.09 13.75,44.58 ; v1(93.82,45.03) 94.39,44.46 97.23,44.46 97.23,45.44 97.93,46.14 104.76,46.14 104.76,46.13 104.87,46.02 ; Q1.3 161.46,94.04 161.34,93.92 161.34,89.7 157.71,86.07 v1(157.71,85.46) ; 19.48,64.12 18.53,65.07 11.95,65.07 11.75,64.88 11.75,63.58 9.05,63.58 v1(8.81,63.34) ; 19.48,64.12 C30.2 ; 230.88,44.5 230.88,45.51 231.47,46.11 237.66,46.11 238.41,45.36 238.41,45.16 238.48,45.09 C42.2 261.08,44.31 D111.1 ; 123.46,45.33 127.71,45.33 128.54,46.16 133.7,46.16 135.35,44.52 135.35,45.52 136.09,46.27 142.42,46.27 143.05,45.64 ; 123.46,45.33 C36.2 ; 216.75,6.58 216.75,7.62 216.6,7.78 217.11,8.29 223.49,8.29 224.48,7.3 C64.2 235.39,6.31 D133.1 235.5,7.46 236,7.97 242.12,7.97 243.03,7.06 C65.2 254.56,6.26 D134.1 254.69,6.95 255.78,8.04 261.75,8.04 262.48,7.31 C66.2 273.5,6.31 D135.1 ; 26.9,84.24 31.96,84.24 ; 26.9,84.24 25.75,83.09 25.75,82.58 ; 143.05,45.64 143.48,45.21 C37.2 ; 56.48,6.33 56.48,7.27 57.25,8.04 63.94,8.04 64.48,7.5 C61.2 128.05,6.31 D130.1 127.69,6.94 127.69,7.31 128.42,8.04 134.96,8.04 135.48,7.52 C62.2 197.34,6.31 D131.1 ; 119.48,64.06 C25.2 ; 50.39,25.25 49.98,24.83 C59.2 26.48,26.33 25.74,27.07 19.68,27.07 18.75,26.15 18.75,25.58 ; 104.87,46.02 108.21,46.02 v1(108.25,46.06) ; 13.75,44.58 11.57,44.58 v1(10.91,43.92) ; v1(290.84,26.81) 292.1,25.55 ; C68.2 300.48,7.56 299.82,8.22 293.43,8.22 292.76,7.55 292.76,6.58 ; 144.75,25.58 144.21,26.12 144.21,26.16 144.14,26.23 145,27.09 151.84,27.09 152.48,26.45 C53.2 163.38,24.83 164.03,25.47 ; D117.1 190.69,25.43 190.57,25.31 C51.2 190.48,26.48 190.51,26.51 189.93,27.09 183.39,27.09 182.75,26.45 182.75,25.58
/raw_pwr: length 13.5
  Bottom w0.2: Q1.2 162.41,102.63 161.82,103.22 ; R1.1 159.52,100.27 D138.1 161.82,103.22 ; 161.82,103.22 164.36,103.22 D137.1
bat+: length 98.5
  Top w0.2: v1(155.97,106.39) 152.66,106.39 151.4,107.65 132.12,107.65 125.84,101.37 121.7,101.37 v1(119.86,103.21) ; v1(165.58,97.77) 165.23,97.42 157.75,97.42 157.75,97.63 157.4,97.98 156.9,97.98 156.55,97.63 156.55,97.42 148.48,97.42 148.19,97.71 147.69,97.71 147.49,97.51 147.1,97.9 v1(140.07,97.9) ; v1(160.15,108.11) 160.99,107.27 v1(166.4,107.27)
  Bottom w0.2: v1(160.15,108.11) 160.15,107.15 D138.2 156.1,106.52 v1(155.97,106.39) ; v1(119.86,103.21) 122.3,105.65 J2.1 ; v1(166.4,107.27) 165.58,106.45 v1(165.58,97.77) ; v1(140.07,97.9) 138.73,99.24 138.73,99.31
